# Altium PCB AMC_Box_Mainboard.PcbDoc (part 7 of 8) (continued)
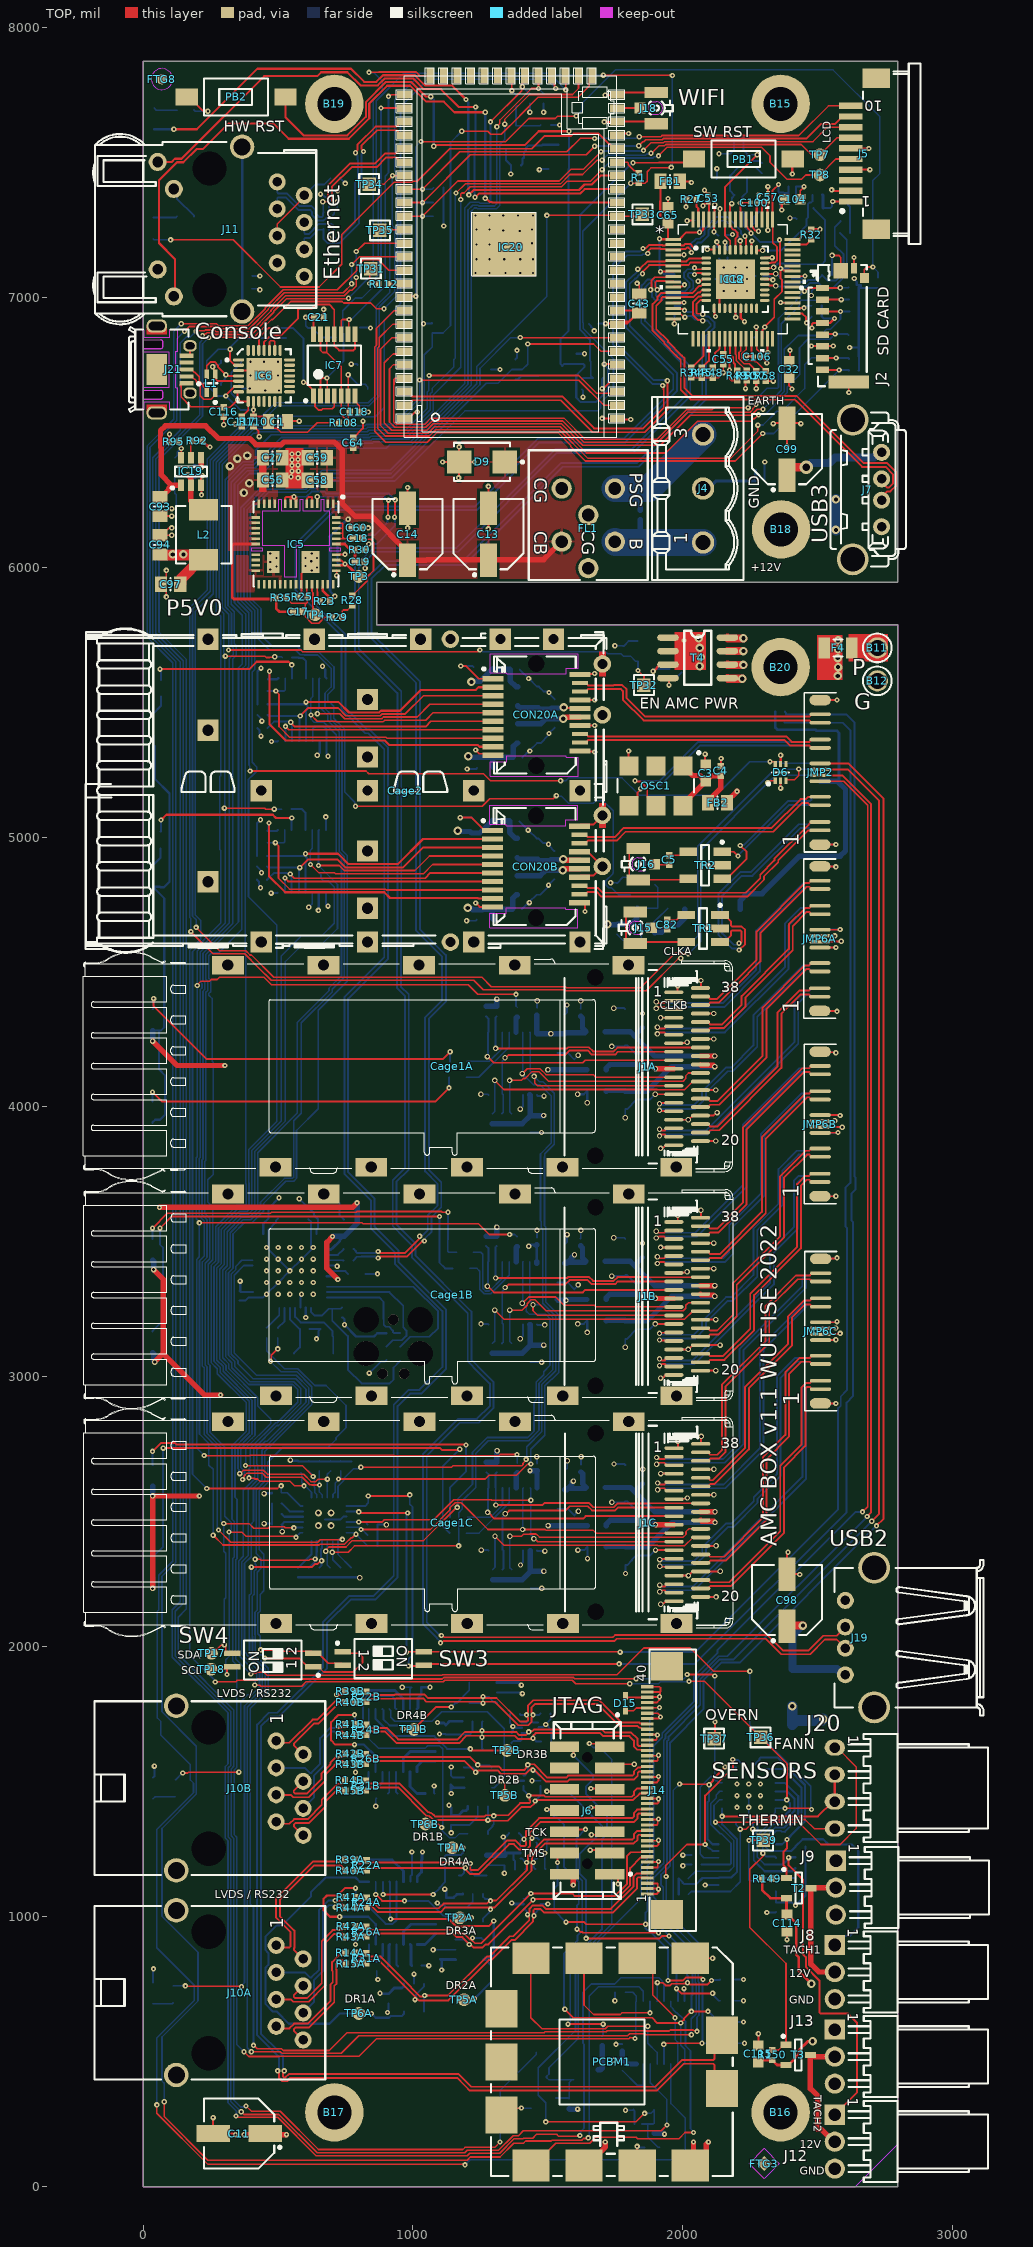
[diagram p0: TOP view]
## Nets (pads, with @x,y where several pads share a name; then routed paths per layer and width w, separated by ;. In a path a pad name is that pad's centre, name@x,y a point inside that pad or via, vN(x,y) a via of type N, cw(c..) or ccw(c..) an arc to the next point about the centre after c; other vN are vias at no path point) (continued)
SOM_TRST: D13.3 IC20.2 | length 10477.2
  TOP w6: v1(244.09,6850.39) 244.77,6851.07 410.12,6851.07 476.38,6917.32 480.31,6917.32 547.12,6984.12 636.96,6984.12 637.08,6984.25 737.54,6984.25 743.36,6978.43 843.82,6978.43 865.25,6957 v1(893,6957) ; v1(381.89,299.21) 401.57,279.53 508.25,279.53 649.98,137.8 1185.04,137.8 1192.91,145.67 1303.15,145.67 1322.81,165.33 v1(1322.81,165.38) ; IC20.2@1563.5,7820.39 1566.5,7817.4 v1(1566.5,7768.57)
  BTM w6: v1(244.09,6850.39) 220.47,6826.77 220.47,6559 59.06,6397.58 59.06,5759.84 159.6,5659.3 159.6,2139.54 130.11,2110.05 130.11,1972.25 336.46,1765.91 336.46,1557.47 326.71,1547.72 326.71,1300.1 336.46,1290.36 336.46,321.02 362.2,295.28 377.95,295.28 v1(381.89,299.21) ; v1(893,6957) 943.06,7007.06 943.06,7456.2 932,7467.25 932,7730 1020.28,7818.28 1515.72,7818.28 1565.43,7768.57 v1(1566.5,7768.57) ; v1@1322.83,165.41 1322.83,356.3 1456.69,490.16 D13.3@1456.69,498.03
SW0: IC20.15 J5.10 R63.2 | length 1823.9
  TOP w6: IC20.15@968.5,7400.39 v1(1035.43,7400.39) 1173.82,7538.78 1570.28,7538.78 1619.73,7588.23 v1(1673.23,7588.23) ; v1(1838.58,7594.49) 1918.23,7594.49 1922.76,7599.02 2429.72,7599.02 2539.37,7708.66 J5.10@2622.05,7708.66
  BTM w6: v1(1035.43,7400.39) 1070.87,7400.39 R63.2@1075.98,7405.51 ; v1(1673.23,7588.23) 1673.73,7588.73 1829.12,7588.73 1834.88,7594.49 v1(1838.58,7594.49)
SW1: IC20.16 J5.9 R64.2 | length 1825
  TOP w7: IC20.16@968.5,7350.39 v1(1035.43,7350.39) 1212.6,7527.56 1641.73,7527.56 v1(1673.23,7559.06) ; v1(1836.66,7560.88) 1851.65,7575.87 1855.4,7575.87 1862.79,7583.26 1922.88,7583.26 1927.41,7587.79 2457.87,7587.79 2511.22,7641.15 2562.41,7641.15 2590.55,7669.29 J5.9@2622.05,7669.29
  BTM w7: v1(1035.43,7350.39) R64.2@1074.8,7350.39 ; v1(1673.23,7559.06) 1674.14,7559.97 1835.75,7559.97 v1(1836.66,7560.88)
SW2: IC20.17 J5.8 R65.2 | length 1835.4
  TOP w6: IC20.17@968.5,7300.39 v1(1035.43,7300.39) 1165.52,7430.48 1541.88,7430.48 1585.92,7474.53 1632.01,7474.53 v1(1696.85,7539.37) ; v1(1854.33,7544.04) 1882.33,7572.04 1927.53,7572.04 1932.06,7576.57 2482.08,7576.57 2535.43,7629.92 J5.8@2622.05,7629.92
  BTM w6: v1(1035.43,7300.39) 1073.62,7300.39 R65.2@1074.8,7299.21 ; v1(1696.85,7539.37) 1700.79,7535.43 1700.79,7535.93 1703.17,7538.31 1703.17,7541.7 1852,7541.7 v1(1854.33,7544.04)
TACH1: IC1.2 IC9.16 J8.1 R147.1 | length 1258.4
  BTM w6: IC1.2@2345.2,1243.81 2322.57,1243.81 2313.16,1253.22 2311.49,1253.22 2306.97,1257.74 2306.97,1279.89 2345.98,1318.9 2362.2,1318.9 2366.14,1314.96 2377.95,1314.96
  BTM w7.87: IC9.16@2291.34,1547.24 2370.08,1547.24 2440.16,1477.17 2440.16,1377.17 2377.95,1314.96 ; IC1.2@2345.2,1243.81 2401.8,1243.81 R147.1@2417.25,1259.27 ; R147.1@2417.25,1260.05 2417.25,1260.84 2443.81,1287.4 2519.69,1287.4 2539.37,1267.72 2625.98,1267.72 2649.61,1244.09 2649.61,960.63 2617.72,928.74 2596.46,928.74 J8.1@2562.99,895.28
TACH2: IC1.4 IC9.2 J12.1 R148.1 | length 1685.6
  TOP w7.87: v1(2392,1219) 2392,1190.89 2445.08,1137.81 2445.08,861.01 2455.75,850.34 2455.75,814.36 2505.91,764.2 2505.91,646.34 2510.52,641.73 2610.24,641.73 2645.67,606.3 2645.67,349.61 J12.1@2562.99,266.93
  BTM w6: 2302.88,1193.86 2275.59,1221.15 2275.59,1283.46 2334.5,1342.37 2362.84,1342.37
  BTM w7.87: 2302.88,1193.86 IC1.4@2345.16,1193.86 ; IC9.2@2342.52,1464.57 2385.83,1464.57 2413.39,1437.01 2413.39,1392.54 2363.22,1342.37 2362.84,1342.37 ; v1(2392,1219) 2392,1215.8 2384.38,1208.18 2384.38,1207.35 2379.3,1202.28 2376.31,1202.28 2367.84,1193.81 IC1.4@2345.2,1193.81 ; v1@2394.02,1220.68 R148.1@2417.25,1220.68 ; IC1.4@2345.16,1193.86 IC1.4@2345.2,1193.81
THERMN: IC1.6 IC9.4 IC20.40 R152.2 TP39.1 | length 9540
  TOP w6: v1(399.58,1899.58) 402.2,1902.2 418.1,1902.2 421.42,1905.51 448.82,1905.51 459.54,1894.79 1106.88,1894.79 1109.38,1897.28 1756.71,1897.28 1855.26,1995.83 2027.32,1995.83 2113.7,1909.45 v1(2248.03,1909.45) ; v1(1397.64,6850.39) IC20.40@1758.5,6850.39 ; v1(2245,1283) TP39.1@2297,1283 ; v1(2378.44,1401.57) 2472.44,1401.57 v1(2476.38,1397.64)
  BTM w6: v1(399.58,1899.58) 343.83,1955.33 343.83,2322.84 348.22,2327.23 348.22,2547.17 340.63,2554.76 340.63,2740.52 382.65,2782.55 393.29,2793.18 393.29,2909.41 286.05,3016.65 286.05,3034.79 263,3057.83 263,3408.17 279.85,3425.02 279.85,3551.68 352.87,3624.7 381.77,3624.7 392.58,3635.51 392.58,3719.69 392.4,3719.87 392.4,3843.66 496.06,3947.32 496.06,4673.23 390.9,4778.39 390.9,5214.62 399.73,5223.45 400.62,5223.45 421.26,5244.09 421.26,5259.84 404.33,5276.77 404.33,5611.21 414.69,5621.58 414.69,5838.44 374.02,5879.12 374.02,6217.12 456.44,6299.54 598.17,6299.54 612.84,6314.21 635.04,6314.21 667.9,6347.08 919.09,6347.08 1248.3,6676.3 1248.3,6735.95 1362.75,6850.39 v1(1397.64,6850.39) ; v1(2248.03,1909.45) 2248.03,1709.41 2474.03,1483.41 2474.03,1399.99 v1(2476.38,1397.64) ; v1(2378.44,1401.57) IC9.4@2342.52,1401.57 2342.52,1386.67 2331.4,1375.55 2287.38,1375.55 2276.48,1364.66 2276.48,1317.35 2261.43,1302.3 2259.15,1302.3 2244.09,1287.24 2244.09,1137.37 2247.61,1133.86 2280.11,1133.86 2290.07,1143.81 IC1.6@2345.2,1143.81 2415.38,1143.81 R152.2@2417.25,1141.94
TX1A_N: J1A.37 JMP6A.13 | length 689.2
  TOP w7: J1A.37@2065.22,4409.22 2092.51,4409.22 2101.25,4400.47 2126.62,4400.47 2190.81,4464.65 2193,4464.65 2273.4,4545.06 2273.4,4649.88 2453.55,4830.03 2467.9,4830.03 2476.45,4838.58 JMP6A.13@2507.87,4838.58
TX1A_P: J1A.36 JMP6A.12 | length 689.2
  TOP w7: J1A.36@2065.22,4377.72 2092.51,4377.72 2101.25,4386.47 2132.42,4386.47 2195.76,4449.8 2197.95,4449.8 2287.4,4539.26 2287.4,4644.08 2459.35,4816.03 2467.9,4816.03 2476.45,4807.48 JMP6A.12@2507.87,4807.48
TX1B_N: J1B.37 JMP6B.13 | length 859.3
  TOP w7: J1B.37@2065.34,3558.51 2092.62,3558.51 2101.37,3549.76 2126.74,3549.76 2222.22,3645.24 2222.22,3923.12 2442.52,4143.42 2468.77,4143.42 2477.32,4151.97 JMP6B.13@2508.74,4151.97
TX1B_P: J1B.36 JMP6B.12 | length 859.3
  TOP w7: J1B.36@2065.34,3527.01 2092.62,3527.01 2101.37,3535.76 2132.54,3535.76 2236.22,3639.44 2236.22,3917.32 2448.31,4129.42 2468.77,4129.42 2477.32,4120.87 JMP6B.12@2508.74,4120.87
TX1C_N: J1C.37 JMP6C.13 | length 945
  TOP w7: J1C.37@2066.14,2720.47 2093.43,2720.47 2102.18,2711.72 2127.55,2711.72 2144.57,2728.74 2144.57,2971.45 2306.2,3133.09 2306.2,3263.01 2419.13,3375.93 2470.56,3375.93 2479.11,3384.49 JMP6C.13@2510.53,3384.49
TX1C_P: J1C.36 JMP6C.12 | length 945
  TOP w7: J1C.36@2066.14,2688.98 2093.43,2688.98 2102.18,2697.72 2133.35,2697.72 2158.57,2722.94 2158.57,2965.65 2320.2,3127.29 2320.2,3257.21 2424.93,3361.93 2470.56,3361.93 2479.11,3353.38 JMP6C.12@2510.53,3353.38
TX2A_N: J1A.2 JMP5A.2 | length 952.6
  TOP w7: v2(1901.57,4390.12) 1905.11,4390.12 1910.52,4384.72 1930.37,4384.72 1939.12,4393.47 J1A.2@1966.4,4393.47
  BTM w7: v2(1901.57,4390.12) 1905.11,4390.12 1910.52,4384.72 2148.5,4384.72 2271.65,4507.87 2271.65,4653.54 2448.14,4830.03 2467.9,4830.03 2476.45,4838.58 JMP5A.2@2507.87,4838.58
TX2A_P: J1A.3 JMP5A.3 | length 952.6
  TOP w7: v2(1901.57,4365.32) 1905.11,4365.32 1910.52,4370.72 1930.37,4370.72 1939.12,4361.97 J1A.3@1966.4,4361.97
  BTM w7: v2(1901.57,4365.32) 1905.11,4365.32 1910.52,4370.72 2154.3,4370.72 2285.65,4502.08 2285.65,4647.74 2453.94,4816.03 2467.9,4816.03 2476.45,4807.48 JMP5A.3@2507.87,4807.48
TX2B_N: J1B.2 JMP5B.2 | length 1065.7
  TOP w7: v2(1901.69,3539.41) 1905.23,3539.41 1910.63,3534.01 1930.48,3534.01 1939.23,3542.76 J1B.2@1966.52,3542.76
  BTM w7: v2(1901.69,3539.41) 1905.23,3539.41 1910.63,3534.01 2045.82,3534.01 2222.22,3710.41 2222.22,3934.93 2430.7,4143.42 2467.04,4143.42 2475.59,4151.97 JMP5B.2@2507.01,4151.97
TX2B_P: J1B.3 JMP5B.3 | length 1065.7
  TOP w7: v2(1901.69,3514.61) 1905.23,3514.61 1910.63,3520.01 1930.48,3520.01 1939.23,3511.26 J1B.3@1966.52,3511.26
  BTM w7: v2(1901.69,3514.61) 1905.23,3514.61 1910.63,3520.01 2051.62,3520.01 2236.22,3704.61 2236.22,3929.13 2436.5,4129.42 2467.04,4129.42 2475.59,4120.87 JMP5B.3@2507.01,4120.87
TX2C_N: J1C.2 JMP5C.2 | length 1184
  TOP w7: v2(1902.5,2701.38) 1906.04,2701.38 1911.44,2695.98 1931.29,2695.98 1940.04,2704.72 J1C.2@1967.33,2704.72
  BTM w7: v2(1902.5,2701.38) 1906.04,2701.38 1911.44,2695.98 2149.42,2695.98 2210.41,2756.96 2210.41,3104.11 2442.18,3335.88 2442.18,3363.63 2454.48,3375.93 2468.83,3375.93 2477.38,3384.49 JMP5C.2@2508.8,3384.49
TX2C_P: J1C.3 JMP5C.3 | length 1184
  TOP w7: v2(1902.5,2676.57) 1906.04,2676.57 1911.44,2681.98 1931.29,2681.98 1940.04,2673.23 J1C.3@1967.33,2673.23
  BTM w7: v2(1902.5,2676.57) 1906.04,2676.57 1911.44,2681.98 2155.22,2681.98 2224.41,2751.16 2224.41,3098.31 2456.18,3330.08 2456.18,3357.83 2460.28,3361.93 2468.83,3361.93 2477.38,3353.38 JMP5C.3@2508.8,3353.38
TX3A_N: J1A.34 JMP6A.11 | length 700.2
  TOP w7: J1A.34@2065.22,4314.73 2092.51,4314.73 2101.25,4305.98 2145.67,4305.98 2217.7,4378.01 2217.7,4410.73 2393,4586.03 2393,4676.18 2453.55,4736.72 2467.9,4736.72 2476.45,4745.28 JMP6A.11@2507.87,4745.28
TX3A_P: J1A.33 JMP6A.10 | length 700.2
  TOP w7: J1A.33@2065.22,4283.23 2092.51,4283.23 2101.25,4291.98 2151.47,4291.98 2231.7,4372.21 2231.7,4404.93 2407,4580.23 2407,4670.38 2459.35,4722.72 2467.9,4722.72 2476.45,4714.17 JMP6A.10@2507.87,4714.17
TX3B_N: J1B.34 JMP6B.11 | length 859.4
  TOP w7: J1B.34@2065.34,3464.02 2092.62,3464.02 2101.37,3455.27 2136.8,3455.27 2293.09,3611.55 2293.09,3888.78 2454.42,4050.11 2468.77,4050.11 2477.32,4058.66 JMP6B.11@2508.74,4058.66
TX3B_P: J1B.33 JMP6B.10 | length 859.4
  TOP w7: J1B.33@2065.34,3432.52 2092.62,3432.52 2101.37,3441.27 2142.6,3441.27 2307.09,3605.75 2307.09,3882.98 2460.22,4036.11 2468.77,4036.11 2477.32,4027.56 JMP6B.10@2508.74,4027.56
TX3C_N: J1C.34 JMP6C.11 | length 919.3
  TOP w7: J1C.34@2066.14,2625.98 2093.43,2625.98 2102.18,2617.24 2110.53,2617.24 2230.88,2737.58 2230.88,2963.27 2389.76,3122.16 2389.76,3224.52 2447.87,3282.63 2470.56,3282.63 2479.11,3291.18 JMP6C.11@2510.53,3291.18
TX3C_P: J1C.33 JMP6C.10 | length 919.3
  TOP w7: J1C.33@2066.14,2594.49 2093.43,2594.49 2102.18,2603.24 2116.33,2603.24 2244.88,2731.78 2244.88,2957.47 2403.76,3116.36 2403.76,3218.72 2453.67,3268.63 2470.56,3268.63 2479.11,3260.08 JMP6C.10@2510.53,3260.08
TX4A_N: J1A.5 JMP5A.4 | length 954.8
  TOP w7: v2(1905.51,4295.63) 1909.05,4295.63 1914.45,4290.23 1930.37,4290.23 1939.12,4298.98 J1A.5@1966.4,4298.98
  BTM w7: v2(1905.51,4295.63) 1909.05,4295.63 1914.45,4290.23 2149.72,4290.23 2377.95,4518.46 2377.95,4679.03 2435.65,4736.72 2468.77,4736.72 2477.32,4745.28 JMP5A.4@2508.74,4745.28
TX4A_P: J1A.6 JMP5A.5 | length 954.8
  TOP w7: v2(1905.51,4270.83) 1909.05,4270.83 1914.45,4276.23 1930.37,4276.23 1939.12,4267.48 J1A.6@1966.4,4267.48
  BTM w7: v2(1905.51,4270.83) 1909.05,4270.83 1914.45,4276.23 2155.52,4276.23 2391.95,4512.66 2391.95,4673.23 2441.45,4722.72 2468.77,4722.72 2477.32,4714.17 JMP5A.5@2508.74,4714.17
TX4B_N: J1B.5 JMP5B.4 | length 1115.5
  TOP w7: v2(1905.63,3444.92) 1909.17,3444.92 1914.57,3439.52 1930.48,3439.52 1939.23,3448.27 J1B.5@1966.52,3448.27
  BTM w7: v2(1905.63,3444.92) 1909.17,3444.92 1914.57,3439.52 2149.84,3439.52 2171.75,3461.43 2171.75,3561.51 2289.15,3678.91 2289.15,3899.5 2439.76,4050.11 2467.9,4050.11 2476.45,4058.66 JMP5B.4@2507.87,4058.66
TX4B_P: J1B.6 JMP5B.5 | length 1115.5
  TOP w7: v2(1905.63,3420.12) 1909.17,3420.12 1914.57,3425.52 1930.48,3425.52 1939.23,3416.77 J1B.6@1966.52,3416.77
  BTM w7: v2(1905.63,3420.12) 1909.17,3420.12 1914.57,3425.52 2155.64,3425.52 2185.75,3455.63 2185.75,3555.71 2303.15,3673.11 2303.15,3893.7 2445.56,4036.11 2467.9,4036.11 2476.45,4027.56 JMP5B.5@2507.87,4027.56
TX4C_N: J1C.5 JMP5C.4 | length 1178.4
  TOP w7: v2(1906.44,2606.89) 1909.97,2606.89 1915.38,2601.49 1931.29,2601.49 1940.04,2610.24 J1C.5@1967.33,2610.24
  BTM w7: v2(1906.44,2606.89) 1909.97,2606.89 1915.38,2601.49 2150.64,2601.49 2285.21,2736.06 2285.21,3108.16 2441.02,3263.97 2441.02,3268.3 2455.34,3282.63 2469.69,3282.63 2478.24,3291.18 JMP5C.4@2509.66,3291.18
TX4C_P: J1C.6 JMP5C.5 | length 1178.4
  TOP w7: v2(1906.44,2582.09) 1909.97,2582.09 1915.38,2587.49 1931.29,2587.49 1940.04,2578.74 J1C.6@1967.33,2578.74
  BTM w7: v2(1906.44,2582.09) 1909.97,2582.09 1915.38,2587.49 2156.44,2587.49 2299.21,2730.26 2299.21,3102.36 2455.02,3258.17 2455.02,3262.51 2461.14,3268.63 2469.69,3268.63 2478.24,3260.08 JMP5C.5@2509.66,3260.08
TXDISABLEA: CON20A.3 IC3A.5 R52A.2 | length 986.2
  TOP w7: v1(582.68,5448.82) 612.56,5478.7 722.44,5478.7 751.68,5449.45 879.69,5449.45 886.19,5455.96 971.7,5455.96 1039.17,5523.43 CON20A.3@1296.26,5523.43
  BTM w7: R52A.2@461.42,5452.76 465.35,5448.82 v1(582.68,5448.82) 580.25,5446.39 580.25,5358.79 IC3A.5@577.76,5356.3
TXDISABLEB: CON20B.3 IC3B.5 R52B.2 | length 986.2
  TOP w7: v1(580.91,4886.85) 610.78,4916.73 720.66,4916.73 749.91,4887.48 963.43,4887.48 1037.4,4961.46 CON20B.3@1294.49,4961.46
  BTM w7: R52B.2@459.65,4890.79 463.58,4886.85 v1(580.91,4886.85) 578.48,4884.42 578.48,4796.82 IC3B.5@575.98,4794.33
TXFAULTA: CON20A.2 IC3A.4 R89A.1 | length 1043
  TOP w7.87: v1(603.54,5500) 724.85,5500 763.23,5461.61 874.65,5461.61 881.15,5468.12 952.37,5468.12 1028.82,5544.57 1232.07,5544.57 1242.43,5554.92 CON20A.2@1296.26,5554.92
  BTM w7.87: R89A.1@461.42,5492.13 599.17,5492.13 599.17,5492.43 603.54,5496.8 v1(603.54,5500) ; IC3A.4@603.35,5356.3 603.35,5432.31 603.54,5432.51 603.54,5468.29 609.45,5474.2 609.45,5484.45 605.8,5488.1 605.8,5498.76 v1@607.04,5500
TXFAULTB: CON20B.2 IC3B.4 R89B.1 | length 1043
  TOP w7.87: v1(601.77,4938.03) 723.08,4938.03 761.46,4899.65 944.09,4899.65 1037.4,4992.95 CON20B.2@1294.49,4992.95
  BTM w7.87: R89B.1@459.65,4930.16 597.39,4930.16 597.39,4930.46 601.77,4934.84 v1(601.77,4938.03) ; IC3B.4@601.57,4794.33 601.57,4870.34 601.77,4870.54 601.77,4906.33 607.68,4912.23 607.68,4922.48 604.03,4926.13 604.03,4936.79 v1@605.27,4938.03
UCap: C2.1 IC21.6 | length 84.7
  BTM w7: IC21.6@680.81,3393 710.94,3393 711.91,3392.03 749.48,3392.03 C2.1@760.5,3381
USB0_N: IC8.30 IC12.3 IC20.D- | length 2395.2
  TOP w7: IC20.D-@968.5,6600.39 982.5,6600.39 993,6610.89 993,6614.29 997.1,6618.39 1546.96,6618.39 1665.52,6499.84 1858.22,6499.84 1943.13,6584.75 1943.13,6665.61 1943.26,6665.74 1943.26,6689.68 v1(1942.46,6690.49) ; v1(1869.82,7161.67) 1872.25,7164.1 1872.25,7171.46 1880.53,7179.74 1917.04,7179.74 1918.74,7178.04 1934.44,7178.04 1935.28,7177.2 1962.04,7177.2 IC12.3@1964.04,7175.2 1966.04,7177.2 1992.8,7177.2 1993.64,7178.04 2009.34,7178.04 2014.72,7183.42 2020.79,7183.42 2029.07,7175.14 2029.07,7167.78 v1(2031.5,7165.35) ; IC8.30@2234.25,7175.2 v1@2234.25,7218.1
  BTM w7: v1(1869.82,7161.67) 1867.4,7159.25 1851.83,7159.25 1847.92,7155.33 1793.21,7155.33 1755.91,7118.03 1755.91,6829.53 1892.52,6692.92 1940.03,6692.92 v1(1942.46,6690.49) ; v1(2031.5,7165.35) 2029.07,7167.78 2029.07,7183.49 2028.2,7184.36 2028.2,7195.96 2048.78,7216.54 2062.99,7216.54 2080.49,7234.03 2080.49,7253.39 2124.53,7297.43 2163.92,7297.43 2216.07,7245.28 2216.07,7235.1 2220.17,7231 2221.35,7231 2226.43,7225.92 v1(2229.86,7225.92)
USB0_P: IC8.31 IC12.2 IC20.D+ | length 2336.4
  TOP w7: IC20.D+@968.5,6650.39 982.5,6650.39 993,6639.89 993,6636.49 997.1,6632.39 1552.76,6632.39 1671.32,6513.84 1673.72,6513.84 1852.42,6513.84 1929.13,6590.55 1929.13,6657.48 1927.62,6658.99 1927.62,6670.8 v1(1925.2,6673.23) ; v1(1852.56,7180.52) 1853.4,7181.36 1862.35,7181.36 1874.73,7193.74 1922.84,7193.74 1924.54,7192.04 1934.44,7192.04 1935.28,7192.88 1962.04,7192.88 IC12.2@1964.04,7194.88 1966.04,7192.88 1992.8,7192.88 1993.64,7192.04 2003.54,7192.04 2008.92,7197.42 2026.59,7197.42 2038.97,7185.04 2046.33,7185.04 v1(2048.76,7182.61) ; v1(2212.6,7208.66) 2213.8,7207.46 2213.8,7175.97 IC8.31@2214.57,7175.2
  BTM w7: v1(1852.56,7180.52) 1852.56,7179.77 1842.12,7169.33 1787.41,7169.33 1741.91,7123.83 1741.91,6823.73 1886.72,6678.92 1916.08,6678.92 1921.76,6673.23 v1(1925.2,6673.23) ; v1(2048.76,7182.61) 2048.76,7183.6 2042.2,7190.16 2054.58,7202.54 2068.79,7202.54 2094.49,7228.23 2094.49,7247.59 2130.33,7283.43 2158.12,7283.43 2202.07,7239.48 2202.07,7229.3 2210.17,7221.2 2210.17,7211.09 v1(2212.6,7208.66)
USB1_N: IC8.1 IC12.5 PCBM1.12 | length 10697.2
  TOP w7: v1(498.73,429.13) 498.73,425.7 503.94,420.5 503.94,402.99 516.24,390.69 533.64,390.69 546.27,403.32 1163.61,403.32 1192.91,374.02 1210.69,356.24 1903.6,356.24 2002.96,455.6 2113.03,455.6 2117.13,451.5 2117.13,392.72 PCBM1.12@2145.67,364.17 ; v1(1832.88,7104.13) 1835.3,7106.56 1842.66,7106.56 1869.09,7132.98 1934.44,7132.98 1935.28,7133.83 1962.04,7133.83 IC12.5@1964.04,7135.83 1966.04,7133.83 1992.8,7133.83 1993.64,7132.98 2013.41,7132.98 2023.25,7142.83 2070.48,7142.83 2073.32,7145.67 IC8.1@2086.61,7145.67
  BTM w7: v1(498.73,429.13) 498.73,432.57 503.94,437.77 503.94,480.2 482.23,501.91 423.01,561.13 423.01,1712.27 466.64,1755.91 497.81,1755.91 667.1,1925.2 667.1,2092.41 763.67,2188.98 854.33,2188.98 929.13,2263.78 929.13,2897.42 983.71,2952 1024.2,2952 1109,3036.8 1109,3243.58 933,3419.58 933,3462 844.01,3550.99 844.01,3654.26 745.84,3752.43 745.84,4407.26 893.7,4555.12 893.7,5325.41 834.69,5384.42 824.13,5384.42 735.48,5473.06 735.48,5744.83 685.04,5795.28 564.74,5915.57 564.74,6084.54 705.18,6224.98 1230.85,6224.98 1369.78,6363.91 1369.78,6383.71 1462.44,6476.38 1781.5,6476.38 1964.57,6659.45 1964.57,6712.48 1789.15,6887.9 1789.15,7054.97 1817.43,7083.25 1819.35,7083.25 1830.45,7094.34 1830.45,7101.7 v1(1832.88,7104.13)
USB1_P: IC8.2 IC12.6 PCBM1.13 | length 10650.8
  TOP w7: v1(523.14,429.13) 523.14,425.7 517.94,420.5 517.94,408.79 522.04,404.69 527.84,404.69 540.47,417.32 1169.41,417.32 1216.49,370.24 1897.8,370.24 1997.16,469.6 2113.03,469.6 2117.13,473.7 2117.13,532.48 PCBM1.13@2145.67,561.02 ; v1(1850.14,7086.87) 1852.56,7089.3 1852.56,7096.66 1874.89,7118.98 1934.44,7118.98 1935.28,7118.14 1962.04,7118.14 IC12.6@1964.04,7116.14 1966.04,7118.14 1992.8,7118.14 1993.64,7118.98 2019.2,7118.98 2029.05,7128.83 2070.48,7128.83 2073.32,7125.98 IC8.2@2086.61,7125.98
  BTM w7: v1(523.14,429.13) 523.14,432.57 517.94,437.77 517.94,486 502.03,501.91 437.01,566.93 437.01,1706.47 472.44,1741.91 503.61,1741.91 681.1,1919.4 681.1,2086.61 769.46,2174.98 860.13,2174.98 943.13,2257.98 943.13,2891.62 989.51,2938 1030,2938 1123,3031 1123,3249.38 947,3425.38 947,3467.8 858.01,3556.79 858.01,3660.06 759.84,3758.23 759.84,4401.46 907.7,4549.32 907.7,5331.21 840.49,5398.42 829.92,5398.42 789.43,5438.92 749.48,5478.86 749.48,5750.63 685.04,5815.07 578.74,5921.37 578.74,6078.74 710.98,6210.98 1236.64,6210.98 1383.78,6358.11 1383.78,6377.91 1468.24,6462.38 1787.3,6462.38 1978.57,6653.65 1978.57,6718.28 1803.15,6893.7 1803.15,7049.17 1823.23,7069.25 1825.15,7069.25 1840.35,7084.44 1847.71,7084.44 v1(1850.14,7086.87)
USB2_N: IC8.3 IC12.9 J19.2 | length 8448.4
  TOP w7: v1(1102.36,2014.96) 1105.79,2014.96 1112.44,2021.6 1746.13,2021.6 1754.46,2029.94 2307.72,2029.94 2365.22,1972.44 2471.2,1972.44 2526.01,2027.25 2569.6,2027.25 J19.2@2601.97,1994.88 ; v1(1905.12,7027.56) 1905.12,7030.99 1897.64,7038.47 1897.64,7055.12 1902.45,7059.93 1934.44,7059.93 1935.28,7059.09 1962.04,7059.09 IC12.9@1964.04,7057.09 ; v1(2043.31,7108.66) 2046.74,7108.66 2051.94,7103.46 2070.48,7103.46 2073.32,7106.3 IC8.3@2086.61,7106.3
  BTM w7: v1(1102.36,2014.96) 1102.36,2018.18 1089.59,2030.95 1089.59,2032.35 1037.18,2084.75 1037.18,2714.35 1167.08,2844.24 1237.24,2844.24 1285,2892 1285,2975.2 1242.1,3018.1 1203,3057.2 1203,3236.53 996.06,3443.47 996.06,3488.08 970.42,3513.72 925.03,3559.1 925.03,3728.18 970.42,3773.57 970.42,4411.36 941.57,4440.2 941.57,4604.89 942.69,4606.01 942.69,5533.57 785.21,5691.05 785.21,6003.79 852.29,6070.87 1161.3,6070.87 1527.45,6437.01 1811.02,6437.01 2013.39,6639.37 2013.39,6738.47 1915.3,6836.56 1845.82,6906.04 1845.82,6972.62 1846.37,6973.17 1846.37,7041.78 1848.78,7044.19 1848.78,7044.56 1870.22,7066 1887.61,7066 1899.91,7053.7 1899.91,7036.2 1905.12,7030.99 v1(1905.12,7027.56) 1905.12,7024.13 1899.91,7018.92 1899.91,7007.22 1904.01,7003.12 1915.63,7003.12 1934.33,7021.82 2008.09,7021.82 2024.38,7038.11 2024.38,7053.08 2004.86,7072.6 2004.86,7091.16 2017.17,7103.46 2034.67,7103.46 2039.87,7108.66 v1(2043.31,7108.66)
USB2_P: IC8.4 IC12.8 J19.3 | length 8415.1
  TOP w7: v1(1105.24,2042.25) 1108.67,2042.25 1115.31,2035.6 1740.33,2035.6 1748.67,2043.94 2313.52,2043.94 2371.02,1986.44 2465.4,1986.44 2520.21,2041.25 2569.6,2041.25 J19.3@2601.97,2073.62 ; v1(1880.71,7027.56) 1883.14,7029.99 1883.14,7038.87 1883.64,7039.37 1883.64,7060.92 1896.65,7073.93 1934.44,7073.93 1935.28,7074.77 1962.04,7074.77 IC12.8@1964.04,7076.77 ; v1(2043.31,7084.25) 2046.74,7084.25 2051.94,7089.46 2070.48,7089.46 2073.32,7086.61 IC8.4@2086.61,7086.61
  BTM w7: v1(1105.24,2042.25) 1099.49,2042.25 1051.18,2090.55 1051.18,2708.55 1172.87,2830.24 1243.04,2830.24 1299,2886.2 1299,2981 1261.9,3018.1 1217,3063 1217,3242.33 1010.06,3449.26 1010.06,3493.87 990.21,3513.72 939.03,3564.9 939.03,3722.38 984.42,3767.77 984.42,4417.16 955.57,4446 955.57,4599.09 956.69,4600.21 956.69,5539.37 799.21,5696.85 799.21,5997.99 858.09,6056.87 1167.1,6056.87 1533.24,6423.01 1816.82,6423.01 2027.39,6633.57 2027.39,6744.27 1935.1,6836.56 1859.82,6911.83 1859.82,6966.82 1860.37,6967.37 1860.37,7035.99 1862.78,7038.39 1862.78,7038.76 1876.01,7052 1881.81,7052 1885.91,7047.9 1885.91,7036.2 1880.71,7030.99 v1(1880.71,7027.56) 1880.71,7024.13 1885.91,7018.92 1885.91,7001.42 1898.22,6989.12 1921.42,6989.12 1940.13,7007.82 2013.89,7007.82 2038.38,7032.31 2038.38,7058.88 2018.86,7078.39 2018.86,7085.36 2022.96,7089.46 2034.67,7089.46 2039.87,7084.25 v1(2043.31,7084.25)
USB3_N: IC8.6 IC12.11 J7.2 | length 1616.1
  TOP w7: IC8.6@2086.61,7047.24 2073.32,7047.24 2067.64,7041.56 2061.24,7041.56 2034.56,7014.87 1993.64,7014.87 1992.8,7015.72 1966.04,7015.72 IC12.11@1964.04,7017.72 1962.04,7015.72 1935.28,7015.72 1934.44,7014.87 1918.74,7014.87 1906.44,7002.57 1906.44,6993.17 1887.57,6974.3 1887.57,6876.09 1931.05,6832.62 1931.05,6828.8 1976.38,6783.46 1992.13,6767.72 1992.13,6657.37 2013.72,6635.77 2028.43,6621.07 2278.48,6621.07 2279.52,6620.03 2415.41,6620.03 2421.26,6614.17 2663.96,6371.48 2750.91,6371.48 2778.22,6344.17 2778.22,6309.38 2763.24,6294.4 2757.44,6294.4 2736.22,6315.62 J7.2@2736.22,6326.77
USB3_P: IC8.7 IC12.12 J7.3 | length 1613.8
  TOP w7: IC8.7@2086.61,7027.56 2073.32,7027.56 2063.42,7017.66 2057.14,7017.66 2040.36,7000.87 1993.64,7000.87 1992.8,7000.03 1966.04,7000.03 IC12.12@1964.04,6998.03 1962.04,7000.03 1935.28,7000.03 1934.44,7000.87 1924.54,7000.87 1920.44,6996.77 1920.44,6987.37 1901.57,6968.5 1901.57,6881.89 1945.05,6838.42 1945.05,6834.6 1996.18,6783.46 2006.13,6773.52 2006.13,6663.17 2034.22,6635.07 2284.28,6635.07 2285.32,6634.03 2421.21,6634.03 2441.06,6614.17 2669.76,6385.48 2756.71,6385.48 2792.22,6349.97 2792.22,6303.58 2769.04,6280.4 2757.44,6280.4 2736.22,6259.18 J7.3@2736.22,6248.03
USB_SRST: D14.3 PCBM1.7 | length 120.8
  TOP w6: PCBM1.7@1328.74,265.75 1354.33,291.34 v1(1401.57,291.34)
  BTM w6: v1(1401.57,291.34) D14.3@1438.98,291.34
USB_TCK: IC17.10 PCBM1.2 | length 454.8
  TOP w6: PCBM1.2@1830.71,846.46 1831.89,846.46 1887.94,790.4 1887.94,710.48 1970.62,627.8 v1(1970.62,625.98)
  BTM w6: v1(1970.62,625.98) 1972.44,624.17 1972.44,543.89 1980.9,535.43 1980.9,455.12 IC17.10@1981.3,454.72
USB_TDI: IC17.3 PCBM1.3 | length 478
  TOP w6: PCBM1.3@1633.86,846.46 1633.86,673.23 1669.29,637.8 1768.64,637.8 1774.9,644.05 v1(1877.95,644.05)
  BTM w6: v1(1877.95,644.05) 1878.44,644.54 1878.44,686.52 IC17.3@1878.94,687.01
USB_TDO: IC17.6 PCBM1.8 | length 1180.6
  TOP w6: PCBM1.8@1437.01,78.74 1446.85,78.74 1529.53,161.42 1654.76,161.42 1676.43,183.08 1827.38,183.08 1833.3,177.17 1984.25,177.17 2007.87,200.79 v1(2039.37,200.79)
  BTM w6: IC17.6@1955.71,687.01 1955.71,667.32 1964.72,658.32 1964.72,655.27 1975.72,644.26 1977.19,644.26 1988.19,633.26 1990.01,633.26 2009.69,613.58 2009.69,521.8 2028.22,503.28 2028.22,215.64 2039.37,204.49 v1(2039.37,200.79)
USB_TMS: IC17.13 PCBM1.4 | length 828.7
  TOP w6: PCBM1.4@1437.01,846.46 1437.01,625.98 1478.2,584.8 1712,584.8 1721.69,594.49 v1(1870.08,594.49)
  BTM w6: v1(1870.08,594.49) 1870.08,531.5 1904.53,497.05 IC17.13@1904.53,454.72
VBUS: C116.1 C117.2 D11.4 IC6.7 IC6.8 J21.1 | length 638.1
  TOP w6: J21.1@161.42,6681.1 J21.1@146.61,6681.1 ; C116.1@299.21,6592.52 297.24,6594.49 177.17,6594.49 141.73,6629.92 141.73,6666.34 ; 141.73,6666.34 141.73,6676.23 J21.1@146.61,6681.1 ; 141.73,6666.34 137.33,6670.74 137.33,6675.71 142.72,6681.1 J21.1@146.61,6681.1
  TOP w7: C116.1@299.21,6592.52 322.83,6592.52 v1(350.39,6620.08) ; IC6.7@354.33,6649.61 352.62,6649.61 350.39,6647.38 v1(350.39,6620.08) ; C117.2@366.14,6557.09 389.76,6580.71 IC6.8@389.76,6614.17 359.73,6614.17 353.83,6620.08 v1(350.39,6620.08)
  BTM w7: v1(350.39,6620.08) 326.77,6643.7 326.77,6720.47 364.17,6757.87 D11.4@364.17,6765.75
VDD18: C78.2 C108.2 C109.2 C110.2 IC12.30 IC12.42 IC12.54 | length 810.9
  TOP w7: IC12.54@2234.25,7287.93 2236.25,7285.93 2236.25,7262.43 2240.21,7258.47 2240.21,7255.52 2250.28,7245.45 2250.28,7239.59 v1(2252.71,7237.16) ; IC12.30@2293.31,6845.93 2295.31,6847.93 2295.31,6878.49 2303.15,6886.33 v1(2303.15,6889.76) 2338.58,6925.2 2338.58,6992.13 2367.28,7020.82 2367.28,7063.72 2362.2,7068.8 v1(2362.2,7106.3) ; v1(2358.27,7212.6) 2360.49,7210.37 2360.49,7108.01 v1(2362.2,7106.3) ; IC12.42@2406.04,7096.46 2404.04,7098.46 2373.48,7098.46 2365.64,7106.3 v1(2362.2,7106.3)
  BTM w7: C108.2@2222.44,7314.96 2225.97,7311.43 C110.2@2225.97,7263.93 2226.96,7263.93 2236.45,7254.44 2236.45,7252.65 2251.94,7237.16 v1(2252.71,7237.16) 2285.15,7204.72 2354.17,7204.72 2354.17,7205.07 2358.27,7209.17 v1(2358.27,7212.6) ; C109.2@2292.9,6850.43 2292.9,6876.08 2303.15,6886.33 v1(2303.15,6889.76) ; v1(2362.2,7106.3) 2391.29,7106.3 2396.18,7101.41 2397.17,7101.41 2401.54,7097.04 C78.2@2401.54,7096.05
VDDA: C65.2 C66.2 C68.2 C107.2 FB1.2 IC12.1 IC12.7 IC12.13 IC12.62 | length 797.4
  TOP w8: v1(1913.39,7216.54) 1915.35,7214.57 IC12.1@1946.38,7214.57 ; v1(1917.32,7094.84) 1918.13,7095.65 1963.23,7095.65 IC12.7@1964.04,7096.46 ; FB1.2@1917.32,7429.13 1917.32,7357.41 1916.47,7356.56 1916.47,7302.03 C65.2@1944.88,7273.62 1944.88,7216.07 IC12.1@1946.38,7214.57 ; IC12.13@1964.04,6978.35 1965.02,6979.33 2002.95,6979.33 v1(2003.94,6980.32) ; IC12.62@2076.77,7287.93 2075.79,7286.94 2075.79,7251.05 2067.81,7243.07 2063.98,7243.07 2061.06,7240.16 2013.13,7240.16 1987.54,7214.57 IC12.1@1964.04,7214.57 IC12.1@1946.38,7214.57
  BTM w8: v1(1913.39,7216.54) 1913.39,7101.94 1917.32,7098 v1(1917.32,7094.84) 1920.13,7094.84 1929.92,7085.05 C107.2@1968.54,7085.05 ; C68.2@1968.54,6966.94 1988.41,6966.94 2001.79,6980.32 v1(2003.94,6980.32) ; v1(2061.74,7240.84) 2063.98,7243.07 2063.98,7256.26 2071.27,7263.56 2071.27,7279.56 2070.46,7280.37 C66.2@2070.46,7283.43